# Altium PCB USB3.2_Hub_4Port.PcbDoc (part 4 of 4)
Units mm, origin at the board's own origin, x right, y up, seen from the top; angles counter-clockwise.
Board outline 100 x 50 mm, 6 copper layers (Top Layer, Int1 (GND), Int2 (Sign), Int3 (PWR), Int4 (GND), Bottom Layer), stack 1.484 mm thick; 182 components, 122 nets, 691 pads, 1354 vias.
Unrouted connection lines stored in the file: 48.
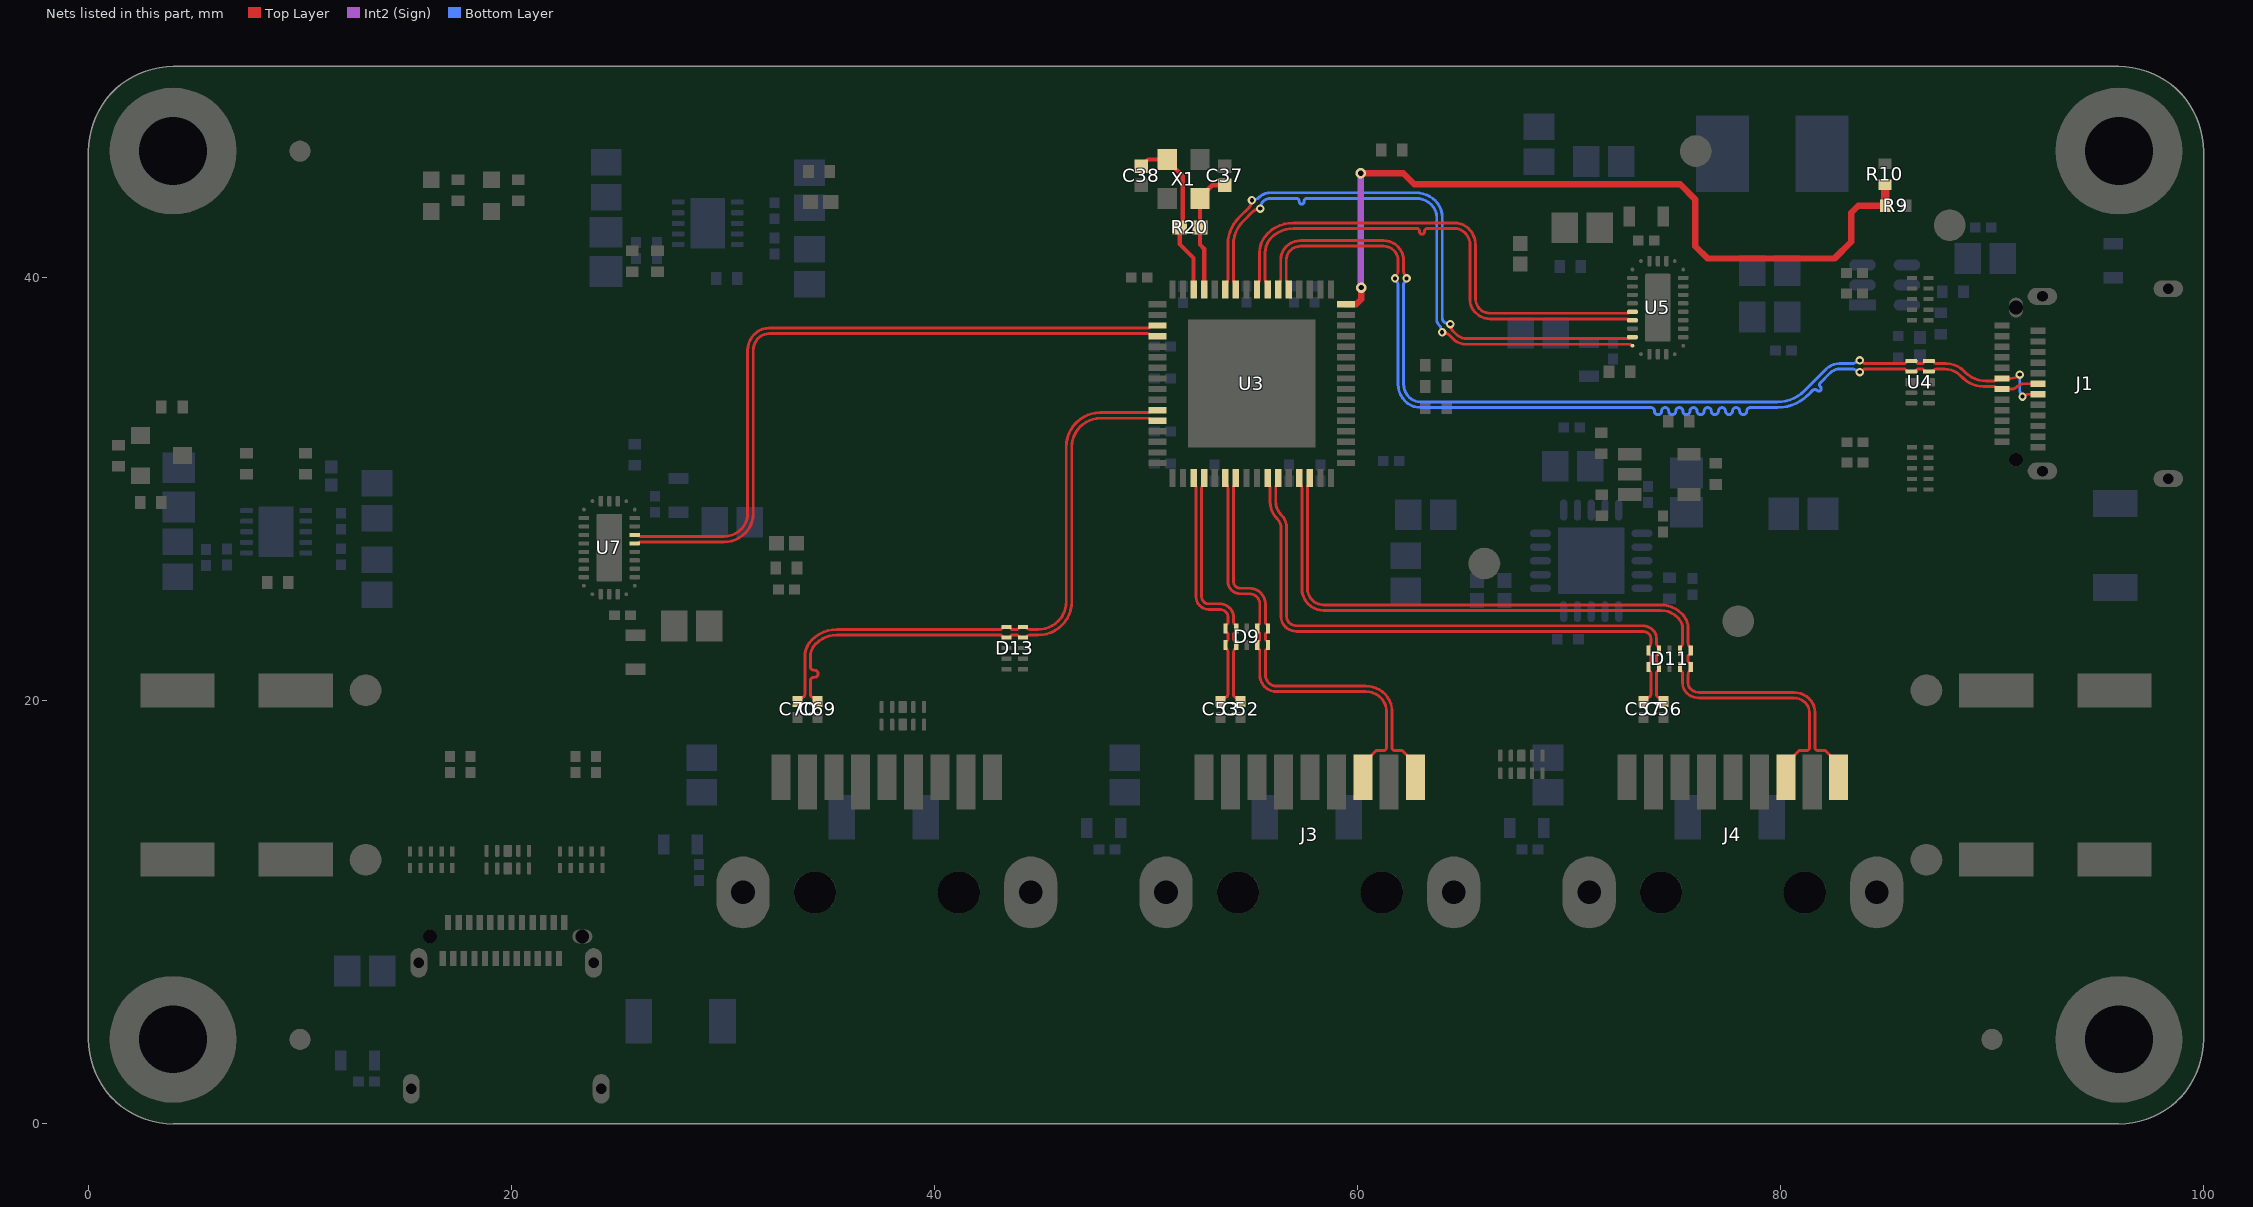
[diagram p8: the nets of this part, all layers, seen from the top]

## Via types
v1: diameter 0.4, hole 0.2, Top Layer to Bottom Layer, tented both sides, 905 vias
v2: diameter 0.5, hole 0.25, Top Layer to Bottom Layer, tented both sides, 358 vias
v3: diameter 0.6, hole 0.3, Top Layer to Bottom Layer, tented both sides, 48 vias
v4: diameter 0.5, hole 0.2, Top Layer to Bottom Layer, tented both sides, 20 vias
v5: diameter 0.5, hole 0.3, Top Layer to Bottom Layer, tented both sides, 9 vias
v6: diameter 1.2, hole 0.7, Top Layer to Bottom Layer, tented both sides, 4 vias
v7: diameter 1, hole 0.5, Top Layer to Bottom Layer, tented both sides, 4 vias
v8: diameter 0.45, hole 0.25, Top Layer to Bottom Layer, tented both sides, 4 vias
v9: diameter 0.5, hole 0.25, Top Layer to Bottom Layer, 2 vias

## Nets (pads, with @x,y where several pads share a name; then routed paths per layer and width w, separated by ;. In a path a pad name is that pad's centre, name@x,y a point inside that pad or via, vN(x,y) a via of type N, cw(c..) or ccw(c..) an arc to the next point about the centre after c; other vN are vias at no path point) (continued)
USB_SSRX_DN3_N: D9.1 D9.10 J3.5 U3.23 | length 21.4
  Top Layer w0.136: U3.23@54.25,30.55 54.25,30.359 cw(c54.048,30.359) 54.191,30.216 ccw(c54.334,30.073) 54.131,30.073 54.131,25.661 ccw(c54.464,25.661) 54.229,25.425 ccw(c54.453,25.649) 54.453,25.333 54.877,25.333 cw(c54.877,24.549) 55.431,25.103 cw(c54.917,24.589) 55.644,24.589 55.644,23.731 ccw(c55.779,23.731) 55.683,23.635 55.723,23.595 55.73,23.595 cw(c55.652,23.517) 55.762,23.517 D9.1@55.762,23.425 55.762,23.288 55.73,23.256 55.723,23.256 55.644,23.176 55.644,22.899 55.723,22.82 55.73,22.82 55.762,22.788 D9.10@55.762,22.65 55.762,22.558 cw(c55.652,22.558) 55.73,22.481 55.723,22.481 55.684,22.441 ccw(c55.779,22.345) 55.644,22.345 55.644,21.239 ccw(c56.19,21.239) 55.804,20.853 ccw(c56.15,21.2) 56.15,20.71 60.377,20.71 cw(c60.377,19.406) 61.298,20.328 cw(c60.494,19.524) 61.631,19.524 61.631,17.793 ccw(c61.767,17.793) 61.767,17.658 62.112,17.658 62.75,17.02 J3.5@62.75,16.395
USB_SSRX_DN3_P: D9.2 D9.9 J3.6 U3.22 | length 21.4
  Top Layer w0.136: U3.22@53.75,30.55 53.75,30.359 ccw(c53.952,30.359) 53.809,30.216 cw(c53.666,30.073) 53.869,30.073 53.869,25.661 ccw(c54.464,25.661) 54.043,25.239 ccw(c54.453,25.649) 54.453,25.07 54.877,25.07 cw(c54.877,24.549) 55.245,24.917 cw(c54.917,24.589) 55.381,24.589 55.381,23.731 cw(c55.245,23.731) 55.341,23.635 55.301,23.595 55.295,23.595 ccw(c55.372,23.517) 55.262,23.517 D9.2@55.262,23.425 55.262,23.288 55.295,23.256 55.301,23.256 55.381,23.176 55.381,22.899 55.301,22.82 55.295,22.82 55.262,22.788 D9.9@55.262,22.65 55.262,22.558 ccw(c55.372,22.558) 55.295,22.481 55.301,22.481 55.341,22.441 cw(c55.245,22.345) 55.381,22.345 55.381,21.239 ccw(c56.19,21.239) 55.618,20.667 ccw(c56.15,21.2) 56.15,20.447 60.377,20.447 cw(c60.377,19.406) 61.112,20.142 cw(c60.494,19.524) 61.369,19.524 61.369,17.793 cw(c61.233,17.793) 61.233,17.658 60.888,17.658 60.25,17.02 J3.6@60.25,16.395
USB_SSRX_DN4_N: D11.1 D11.10 J4.5 U3.30 | length 37.6
  Top Layer w0.136: U3.30@57.75,30.55 57.75,30.359 cw(c57.548,30.359) 57.691,30.216 ccw(c57.834,30.073) 57.631,30.073 57.631,25.32 ccw(c58.416,25.32) 57.861,24.765 ccw(c58.391,25.295) 58.391,24.545 59.157,24.545 74.336,24.545 cw(c74.336,23.155) 75.319,24.139 75.347,24.111 ; 75.347,24.11 cw(c74.656,23.419) 75.634,23.419 75.634,22.749 ccw(c75.905,22.749) 75.713,22.557 75.72,22.557 75.736,22.541 cw(c75.697,22.502) 75.752,22.502 D11.1@75.752,22.387 75.752,22.25 75.72,22.218 75.713,22.218 75.634,22.138 75.634,21.862 75.713,21.782 75.72,21.782 75.752,21.75 D11.10@75.752,21.612 75.752,21.498 cw(c75.697,21.498) 75.736,21.459 75.72,21.443 75.713,21.443 ccw(c75.905,21.251) 75.634,21.251 75.634,20.837 ccw(c76.006,20.837) 75.743,20.574 ccw(c76.15,20.982) 76.15,20.405 80.627,20.405 cw(c80.627,19.362) 81.364,20.1 cw(c80.719,19.455) 81.631,19.455 81.631,17.793 ccw(c81.767,17.793) 81.767,17.658 82.112,17.658 82.75,17.02 J4.5@82.75,16.395
USB_SSRX_DN4_P: D11.2 D11.9 J4.6 U3.29 | length 37.6
  Top Layer w0.136: U3.29@57.25,30.55 57.25,30.359 ccw(c57.452,30.359) 57.309,30.216 cw(c57.166,30.073) 57.369,30.073 57.369,25.32 ccw(c58.416,25.32) 57.675,24.579 ccw(c58.391,25.295) 58.391,24.282 59.157,24.282 74.336,24.282 cw(c74.336,23.155) 75.133,23.952 75.161,23.924 cw(c74.656,23.419) 75.371,23.419 75.371,22.749 cw(c75.1,22.749) 75.291,22.557 75.284,22.557 75.268,22.541 ccw(c75.307,22.502) 75.252,22.502 D11.2@75.252,22.387 75.252,22.25 75.284,22.218 75.291,22.218 75.371,22.138 75.371,21.862 75.291,21.782 75.284,21.782 75.252,21.75 D11.9@75.252,21.612 75.252,21.498 ccw(c75.307,21.498) 75.268,21.459 75.284,21.443 75.291,21.443 cw(c75.1,21.251) 75.371,21.251 75.371,20.837 ccw(c76.006,20.837) 75.557,20.388 ccw(c76.15,20.982) 76.15,20.142 80.627,20.142 cw(c80.627,19.362) 81.178,19.914 cw(c80.719,19.455) 81.369,19.455 81.369,17.793 cw(c81.233,17.793) 81.233,17.658 80.888,17.658 80.25,17.02 J4.6@80.25,16.395
USB_SSRX_UP_N: U3.59 U5.9 | length 28.6
  Top Layer w0.136: U3.59@53.75,39.45 53.75,39.641 cw(c53.952,39.641) 53.809,39.784 ccw(c53.666,39.927) 53.869,39.927 53.869,41.58 cw(c55.674,41.58) 54.397,42.856 54.889,43.348 ccw(c54.715,43.521) 54.96,43.521 54.96,43.554 cw(c55.125,43.554) v1(55.008,43.671) ; v1(64.389,37.821) cw(c64.273,37.704) 64.437,37.704 64.437,37.671 ccw(c64.682,37.671) 64.509,37.498 64.656,37.35 ccw(c65.185,37.879) 65.185,37.131 66.065,37.131 72.733,37.131 ccw(c72.733,37.248) 72.816,37.166 cw(c72.898,37.083) 72.898,37.2 U5.9@73,37.2
  Bottom Layer w0.136: v1(55.008,43.671) cw(c55.125,43.554) 55.125,43.719 ccw(c55.125,44.044) 55.355,43.814 cw(c55.87,43.299) 55.87,44.027 62.764,44.027 cw(c62.764,42.724) 63.686,43.645 cw(c62.909,42.868) 64.008,42.868 64.008,38.091 ccw(c64.23,38.091) 64.073,37.934 ccw(c64.23,38.09) 64.23,37.869 64.273,37.869 cw(c64.273,37.704) v1(64.389,37.821)
USB_SSRX_UP_P: U3.58 U5.10 | length 28.6
  Top Layer w0.136: U3.58@54.25,39.45 54.25,39.641 ccw(c54.048,39.641) 54.191,39.784 cw(c54.334,39.927) 54.131,39.927 54.131,41.58 cw(c55.674,41.58) 54.583,42.67 55.075,43.162 cw(c55.248,42.988) 55.248,43.233 55.281,43.233 ccw(c55.281,43.398) v1(55.397,43.282) ; v1(64,37.432) ccw(c64.116,37.548) 64.116,37.384 64.15,37.384 cw(c64.15,37.139) 64.323,37.312 64.509,37.126 ccw(c65.13,37.748) 65.13,36.869 72.823,36.869 cw(c72.823,36.635) 72.988,36.8 U5.10@73,36.8
  Bottom Layer w0.136: v1(55.397,43.282) ccw(c55.281,43.398) 55.446,43.398 cw(c55.771,43.398) 55.541,43.628 cw(c55.87,43.299) 55.87,43.764 56.804,43.764 57.107,43.764 cw(c57.107,43.629) 57.243,43.629 57.243,43.608 ccw(c57.361,43.608) 57.361,43.491 ccw(c57.361,43.608) 57.478,43.608 57.478,43.629 cw(c57.614,43.629) 57.614,43.764 60.376,43.764 62.764,43.764 cw(c62.764,42.724) 63.5,43.459 cw(c62.909,42.868) 63.745,42.868 63.745,38.048 ccw(c64.126,38.048) 63.857,37.778 cw(c63.626,37.548) 63.952,37.548 ccw(c64.116,37.548) v1(64,37.432)
USB_SSTX_DN1_N: U3.4 U7.6 | length 33.7
  Top Layer w0.136: U7.6@25.825,27.45 25.927,27.45 ccw(c25.927,27.567) 26.009,27.484 cw(c26.092,27.402) 26.092,27.519 30.049,27.519 ccw(c30.049,28.93) 31.047,27.932 ccw(c30.125,28.854) 31.429,28.854 31.429,36.569 cw(c32.265,36.569) 31.674,37.16 cw(c32.177,36.657) 32.177,37.369 32.69,37.369 50.073,37.369 cw(c50.073,37.166) 50.216,37.309 ccw(c50.359,37.452) 50.359,37.25 U3.4@50.55,37.25
USB_SSTX_DN1_P: U3.3 U7.7 | length 33.7
  Top Layer w0.136: U7.7@25.825,27.85 25.927,27.85 cw(c25.927,27.733) 26.009,27.816 ccw(c26.092,27.898) 26.092,27.781 30.049,27.781 ccw(c30.049,28.93) 30.861,28.118 ccw(c30.125,28.854) 31.166,28.854 31.166,36.569 cw(c32.265,36.569) 31.488,37.346 cw(c32.177,36.657) 32.177,37.631 32.69,37.631 50.073,37.631 ccw(c50.073,37.834) 50.216,37.691 cw(c50.359,37.548) 50.359,37.75 U3.3@50.55,37.75
USB_SSTX_DN2_N: C69.1 D13.4 D13.7 U3.12 | length 28.8
  Top Layer w0.136: C69.1@34.476,19.979 ccw(c34.424,19.979) 34.46,20.015 34.341,20.135 ccw(c34.259,20.053) 34.259,20.168 cw(c34.259,20.284) 34.178,20.202 cw(c34.288,20.312) 34.132,20.312 34.132,20.549 34.132,20.952 cw(c34.3,20.952) 34.3,21.12 34.325,21.12 ccw(c34.325,21.288) 34.493,21.288 ccw(c34.325,21.288) 34.325,21.455 34.3,21.455 cw(c34.3,21.623) 34.132,21.623 34.132,22.081 cw(c35.018,22.081) 34.392,22.708 cw(c35.384,21.716) 35.384,23.119 43.095,23.119 cw(c43.095,22.983) 43.19,23.079 43.23,23.039 43.23,23.032 ccw(c43.308,23.11) D13.7@43.308,23 ; D13.7@43.4,23 43.537,23 43.57,23.032 43.57,23.039 43.649,23.119 43.926,23.119 44.005,23.039 44.005,23.032 44.037,23 D13.4@44.175,23 44.29,23 ccw(c44.29,23.055) 44.329,23.016 44.345,23.032 44.345,23.039 cw(c44.536,22.847) 44.536,23.119 44.898,23.119 ccw(c44.898,24.723) 46.033,23.588 ccw(c44.927,24.694) 46.491,24.694 46.491,32.01 cw(c47.848,32.01) 46.888,32.969 cw(c47.852,32.005) 47.852,33.369 50.073,33.369 cw(c50.073,33.166) 50.216,33.309 ccw(c50.359,33.452) 50.359,33.25 U3.12@50.55,33.25
USB_SSTX_DN2_P: C70.1 D13.5 D13.6 U3.11 | length 28.9
  Top Layer w0.136: C70.1@33.526,19.979 cw(c33.577,19.979) 33.541,20.015 33.66,20.135 cw(c33.742,20.053) 33.742,20.168 ccw(c33.742,20.284) 33.823,20.202 ccw(c33.713,20.312) 33.869,20.312 33.869,22.081 cw(c35.018,22.081) 34.206,22.894 cw(c35.384,21.716) 35.384,23.381 43.095,23.381 ccw(c43.095,23.517) 43.19,23.421 43.23,23.461 43.23,23.468 cw(c43.308,23.39) 43.308,23.5 D13.6@43.4,23.5 43.537,23.5 43.57,23.468 43.57,23.461 43.649,23.381 43.926,23.381 44.005,23.461 44.005,23.468 44.037,23.5 D13.5@44.175,23.5 44.29,23.5 cw(c44.29,23.445) 44.329,23.484 44.345,23.468 44.345,23.461 ccw(c44.536,23.653) 44.536,23.381 44.898,23.381 ccw(c44.898,24.723) 45.847,23.774 ccw(c44.927,24.694) 46.228,24.694 46.228,32.01 cw(c47.848,32.01) 46.702,33.155 46.725,33.177 cw(c47.821,32.081) 47.821,33.631 50.073,33.631 ccw(c50.073,33.834) 50.216,33.691 cw(c50.359,33.548) 50.359,33.75 U3.11@50.55,33.75
USB_SSTX_DN3_N: C52.1 D9.4 D9.7 U3.20 | length 12.1
  Top Layer w0.136: U3.20@52.75,30.55 52.75,30.359 cw(c52.548,30.359) 52.691,30.216 ccw(c52.834,30.073) 52.631,30.073 52.631,24.928 ccw(c52.969,24.928) 52.73,24.689 ccw(c52.954,24.912) 52.954,24.596 53.492,24.596 cw(c53.492,23.965) 53.939,24.411 53.983,24.367 cw(c53.595,23.979) 54.144,23.979 54.144,23.731 ccw(c54.279,23.731) 54.183,23.635 54.223,23.595 54.23,23.595 cw(c54.152,23.517) 54.262,23.517 D9.4@54.262,23.425 54.262,23.288 54.23,23.256 54.223,23.256 54.144,23.176 54.144,22.899 54.223,22.82 54.23,22.82 54.262,22.788 D9.7@54.262,22.65 54.262,22.536 cw(c54.207,22.536) 54.246,22.497 54.23,22.481 54.223,22.481 ccw(c54.445,22.259) 54.131,22.259 54.131,20.312 ccw(c54.287,20.312) 54.177,20.202 ccw(c54.259,20.284) 54.259,20.168 cw(c54.259,20.053) 54.34,20.135 54.46,20.015 cw(c54.423,19.979) C52.1@54.475,19.979
USB_SSTX_DN3_P: C53.1 D9.5 D9.6 U3.19 | length 12
  Top Layer w0.136: U3.19@52.25,30.55 52.25,30.359 ccw(c52.452,30.359) 52.309,30.216 cw(c52.166,30.073) 52.369,30.073 52.369,24.916 ccw(c52.941,24.916) 52.536,24.511 52.544,24.503 ccw(c52.954,24.912) 52.954,24.333 53.492,24.333 cw(c53.492,23.965) 53.753,24.225 53.797,24.181 cw(c53.595,23.979) 53.881,23.979 53.881,23.731 cw(c53.745,23.731) 53.841,23.635 53.801,23.595 53.795,23.595 ccw(c53.872,23.517) 53.762,23.517 D9.5@53.762,23.425 53.762,23.288 53.795,23.256 53.801,23.256 53.881,23.176 53.881,22.899 53.801,22.82 53.795,22.82 53.762,22.788 D9.6@53.762,22.65 ; C53.1@53.525,19.979 cw(c53.577,19.979) 53.54,20.015 53.66,20.135 cw(c53.741,20.053) 53.741,20.168 ccw(c53.741,20.284) 53.823,20.202 ccw(c53.713,20.312) 53.869,20.312 53.869,22.332 ccw(c53.687,22.332) 53.815,22.46 cw(c53.944,22.588) D9.6@53.762,22.588
USB_SSTX_DN4_N: C56.1 D11.4 D11.7 U3.27 | length 28.1
  Top Layer w0.136: U3.27@56.25,30.55 56.25,30.359 cw(c56.048,30.359) 56.191,30.216 ccw(c56.334,30.073) 56.131,30.073 56.131,29.423 ccw(c57.007,29.423) 56.388,28.804 cw(c55.753,28.169) 56.651,28.169 56.651,23.983 ccw(c57.054,23.983) 56.769,23.698 ccw(c57.115,24.044) 57.115,23.555 57.785,23.555 73.48,23.555 cw(c73.48,22.858) 73.973,23.351 cw(c73.585,22.963) 74.134,22.963 74.134,22.749 ccw(c74.405,22.749) 74.213,22.557 74.22,22.557 74.236,22.541 cw(c74.197,22.502) 74.252,22.502 D11.4@74.252,22.387 74.252,22.25 74.22,22.218 74.213,22.218 74.134,22.138 74.134,21.862 74.213,21.782 74.22,21.782 74.252,21.75 D11.7@74.252,21.612 74.252,21.521 cw(c74.142,21.521) 74.22,21.443 74.213,21.443 74.173,21.403 ccw(c74.269,21.307) 74.134,21.307 74.134,20.914 74.131,20.912 74.131,20.312 ccw(c74.287,20.312) 74.177,20.202 ccw(c74.259,20.284) 74.259,20.168 cw(c74.259,20.053) 74.34,20.135 74.46,20.015 cw(c74.423,19.979) C56.1@74.475,19.979
USB_SSTX_DN4_P: C57.1 D11.5 D11.6 U3.26 | length 28.1
  Top Layer w0.136: U3.26@55.75,30.55 55.75,30.359 ccw(c55.952,30.359) 55.809,30.216 cw(c55.666,30.073) 55.869,30.073 55.869,29.423 ccw(c57.007,29.423) 56.202,28.618 cw(c55.753,28.169) 56.388,28.169 56.388,23.983 ccw(c57.054,23.983) 56.583,23.512 ccw(c57.115,24.044) 57.115,23.292 57.45,23.292 73.48,23.292 cw(c73.48,22.858) 73.787,23.165 cw(c73.585,22.963) 73.871,22.963 73.871,22.749 cw(c73.6,22.749) 73.791,22.557 73.784,22.557 73.768,22.541 ccw(c73.807,22.502) 73.752,22.502 D11.5@73.752,22.387 73.752,22.25 73.784,22.218 73.791,22.218 73.871,22.138 73.871,21.862 73.791,21.782 73.784,21.782 73.752,21.75 D11.6@73.752,21.612 73.752,21.521 ccw(c73.862,21.521) 73.784,21.443 73.791,21.443 73.831,21.403 cw(c73.735,21.307) 73.871,21.307 73.871,21.023 73.869,21.021 73.869,20.312 cw(c73.713,20.312) 73.823,20.202 cw(c73.741,20.284) 73.741,20.168 ccw(c73.741,20.053) 73.66,20.135 73.54,20.015 ccw(c73.577,19.979) C57.1@73.525,19.979
USB_SSTX_UP_N: U3.56 U5.6 | length 23.8
  Top Layer w0.136: U3.56@55.25,39.45 55.25,39.641 cw(c55.452,39.641) 55.309,39.784 ccw(c55.166,39.927) 55.369,39.927 55.369,41.187 cw(c56.653,41.187) 55.745,42.096 cw(c56.973,40.868) 56.973,42.605 64.584,42.605 cw(c64.584,41.648) 65.261,42.325 cw(c64.485,41.549) 65.582,41.549 ; 65.583,41.579 65.583,39.023 ccw(c66.279,39.023) 65.787,38.531 ccw(c66.269,39.013) 66.269,38.331 72.733,38.331 ccw(c72.733,38.448) 72.816,38.366 cw(c72.898,38.283) 72.898,38.4 U5.6@73,38.4
USB_SSTX_UP_P: U3.55 U5.7 | length 23.6
  Top Layer w0.136: U3.55@55.75,39.45 55.75,39.641 ccw(c55.548,39.641) 55.691,39.784 cw(c55.834,39.927) 55.631,39.927 55.631,41.187 cw(c56.653,41.187) 55.931,41.91 cw(c56.973,40.868) 56.973,42.342 62.494,42.342 62.797,42.342 cw(c62.797,42.206) 62.933,42.206 62.933,42.187 ccw(c63.051,42.187) 63.051,42.069 ccw(c63.051,42.187) 63.168,42.187 63.168,42.206 cw(c63.304,42.206) 63.304,42.342 64.465,42.342 64.584,42.342 cw(c64.584,41.648) 65.075,42.139 65.097,42.116 cw(c64.56,41.579) 65.32,41.579 65.32,41.288 65.32,38.951 ccw(c66.103,38.951) 65.549,38.397 65.601,38.345 ccw(c66.269,39.013) 66.269,38.069 72.733,38.069 cw(c72.733,37.952) 72.816,38.034 ccw(c72.898,38.117) 72.898,38 U5.7@73,38
USB_UP_N: J1.A7 J1.B7 U3.54 U4.1 U4.10 | length 46.9
  Top Layer w0.136: U3.54@56.25,39.45 56.25,39.641 cw(c56.452,39.641) 56.309,39.784 ccw(c56.166,39.927) 56.369,39.927 56.369,40.846 cw(c57.274,40.846) 56.634,41.486 cw(c57.31,40.81) 57.31,41.767 61.231,41.767 cw(c61.231,40.81) 61.908,41.486 cw(c61.253,40.832) 62.179,40.832 62.179,40.326 ccw(c62.505,40.326) 62.275,40.096 cw(c62.158,39.98) v1(62.323,39.98) ; v1(83.744,36.104) 83.81,36.104 83.955,35.958 85.031,35.958 85.033,35.956 85.888,35.956 85.968,36.036 85.968,36.043 86,36.075 U4.1@86.182,36.075 86.365,36.075 86.397,36.043 86.397,36.036 86.477,35.956 86.723,35.956 86.803,36.036 86.803,36.043 86.835,36.075 U4.10@87.017,36.075 87.154,36.075 cw(c87.154,35.965) 87.232,36.043 87.232,36.036 87.272,35.996 ccw(c87.368,36.092) 87.368,35.956 87.811,35.956 cw(c87.811,34.75) 88.665,35.603 88.724,35.544 ccw(c89.72,36.54) 89.72,35.131 90.073,35.131 ccw(c90.073,35.334) 90.216,35.191 cw(c90.359,35.048) 90.359,35.25 J1.A7@90.475,35.25 90.871,35.25 ccw(c90.871,35.875) v1(91.313,35.433) ; v1(91.44,34.392) cw(c91.702,34.13) 91.702,34.5 J1.B7@92.175,34.5
  Bottom Layer w0.136: v1(62.323,39.98) cw(c62.158,39.98) 62.275,39.863 62.251,39.84 ccw(c62.424,39.666) 62.179,39.666 62.179,34.979 ccw(c63.046,34.979) 62.433,34.366 ccw(c62.985,34.918) 62.985,34.138 79.858,34.138 ccw(c79.858,35.938) 81.131,34.665 82.161,35.695 cw(c82.797,35.059) 82.797,35.958 83.393,35.958 ccw(c83.393,36.296) 83.631,36.057 cw(c83.744,35.944) v1(83.744,36.104) ; v1(91.313,35.433) 91.313,34.698 ccw(c91.747,34.698) v1(91.44,34.392)
USB_UP_P: J1.A6 J1.B6 U3.53 U4.2 U4.9 | length 48.6
  Top Layer w0.136: U3.53@56.75,39.45 56.75,39.641 ccw(c56.548,39.641) 56.691,39.784 cw(c56.834,39.927) 56.631,39.927 56.631,40.846 cw(c57.274,40.846) 56.82,41.3 cw(c57.31,40.81) 57.31,41.504 61.231,41.504 cw(c61.231,40.81) 61.722,41.3 cw(c61.253,40.832) 61.916,40.832 61.916,40.326 cw(c61.591,40.326) 61.821,40.096 ccw(c61.937,39.98) v1(61.773,39.98) ; v1(83.744,35.55) 83.81,35.55 83.955,35.696 84.922,35.696 84.924,35.694 85.888,35.694 85.968,35.614 85.968,35.607 86,35.575 U4.2@86.182,35.575 86.365,35.575 86.397,35.607 86.397,35.614 86.477,35.694 86.723,35.694 86.803,35.614 86.803,35.607 86.835,35.575 U4.9@87.017,35.575 87.154,35.575 ccw(c87.154,35.685) 87.232,35.607 87.232,35.614 87.272,35.654 cw(c87.368,35.558) 87.368,35.694 87.757,35.694 cw(c87.757,34.618) 88.517,35.379 88.615,35.281 ccw(c89.611,36.277) 89.611,34.869 90.073,34.869 cw(c90.073,34.666) 90.216,34.809 ccw(c90.359,34.952) 90.359,34.75 J1.A6@90.475,34.75 90.912,34.75 ccw(c90.912,35.174) 91.211,34.874 cw(c91.515,34.57) 91.515,35 J1.B6@92.175,35
  Bottom Layer w0.136: v1(61.773,39.98) ccw(c61.937,39.98) 61.821,39.863 v1@61.844,39.84 ; v1@61.845,39.84 cw(c61.671,39.666) 61.916,39.666 61.916,34.979 ccw(c63.046,34.979) 62.247,34.18 ccw(c62.985,34.918) 62.985,33.875 73.47,33.875 73.874,33.875 cw(c73.874,33.707) 74.042,33.707 74.042,33.704 ccw(c74.209,33.704) 74.209,33.536 ccw(c74.209,33.704) 74.377,33.704 74.377,33.707 cw(c74.545,33.707) 74.545,33.875 cw(c74.545,33.707) 74.713,33.707 74.713,33.704 ccw(c74.881,33.704) 74.881,33.536 ccw(c74.881,33.704) 75.048,33.704 75.048,33.707 cw(c75.216,33.707) 75.216,33.875 cw(c75.216,33.707) 75.384,33.707 75.384,33.704 ccw(c75.552,33.704) 75.552,33.536 ccw(c75.552,33.704) 75.72,33.704 75.72,33.707 cw(c75.887,33.707) 75.887,33.875 cw(c75.887,33.707) 76.055,33.707 76.055,33.704 ccw(c76.223,33.704) 76.223,33.536 ccw(c76.223,33.704) 76.391,33.704 76.391,33.707 cw(c76.559,33.707) 76.559,33.875 cw(c76.559,33.707) 76.726,33.707 ccw(c76.894,33.707) 76.894,33.539 ccw(c76.894,33.707) 77.062,33.707 cw(c77.23,33.707) 77.23,33.875 cw(c77.23,33.707) 77.398,33.707 ccw(c77.565,33.707) 77.565,33.539 ccw(c77.565,33.707) 77.733,33.707 cw(c77.901,33.707) 77.901,33.875 cw(c77.901,33.707) 78.069,33.707 ccw(c78.236,33.707) 78.236,33.539 ccw(c78.236,33.707) 78.404,33.707 cw(c78.572,33.707) 78.572,33.875 79.287,33.875 79.858,33.875 ccw(c79.858,35.938) 81.313,34.475 ccw(c79.858,35.938) 81.317,34.479 81.527,34.69 cw(c81.623,34.594) 81.719,34.69 81.726,34.682 ccw(c81.81,34.766) 81.893,34.682 ccw(c81.81,34.766) 81.893,34.849 81.886,34.856 cw(c81.981,34.952) 81.886,35.048 82.347,35.509 cw(c82.797,35.059) 82.365,35.527 cw(c82.797,35.059) 82.797,35.696 83.393,35.696 cw(c83.393,35.358) 83.631,35.597 ccw(c83.744,35.71) v1(83.744,35.55)
USB_VBUS: R9.1 R10.2 U3.48 | length 37.4
  Top Layer w0.3: U3.48@59.45,38.75 59.934,38.75 60.173,38.989 v2(60.173,39.548) ; v2(60.147,44.945) 62.167,44.945 62.687,44.425 75.26,44.425 75.971,43.713 75.971,41.504 76.556,40.919 82.55,40.919 83.337,41.707 83.337,43.078 83.668,43.409 R9.1@84.946,43.409
  Top Layer w0.4: R10.2@84.938,44.399 84.942,44.395 84.942,43.413 R9.1@84.946,43.409
  Int2 (Sign) w0.3: v2(60.147,44.945) 60.16,44.932 60.16,39.56 v2(60.173,39.548)
XTAL_IN: C38.2 R20.2 U3.62 X1.3 | length 8.1
  Top Layer w0.2: C38.2@49.784,45.281 49.784,45.286 50.102,45.604 X1.3@51.004,45.604 ; X1.3@51.004,45.554 51.74,44.819 51.74,42.541 R20.2@51.591,42.393 51.591,41.601 52.25,40.943 U3.62@52.25,39.45
XTAL_OUT: C37.2 R20.1 U3.61 X1.1 | length 5.8
  Top Layer w0.2: U3.61@52.75,39.45 52.75,41.382 52.549,41.584 R20.1@52.549,42.393 52.549,43.748 X1.1@52.554,43.754 52.554,43.804 53.131,44.381 C37.2@53.721,44.381